# Altium PCB eps-flight.PcbDoc (part 1 of 4) (continued)
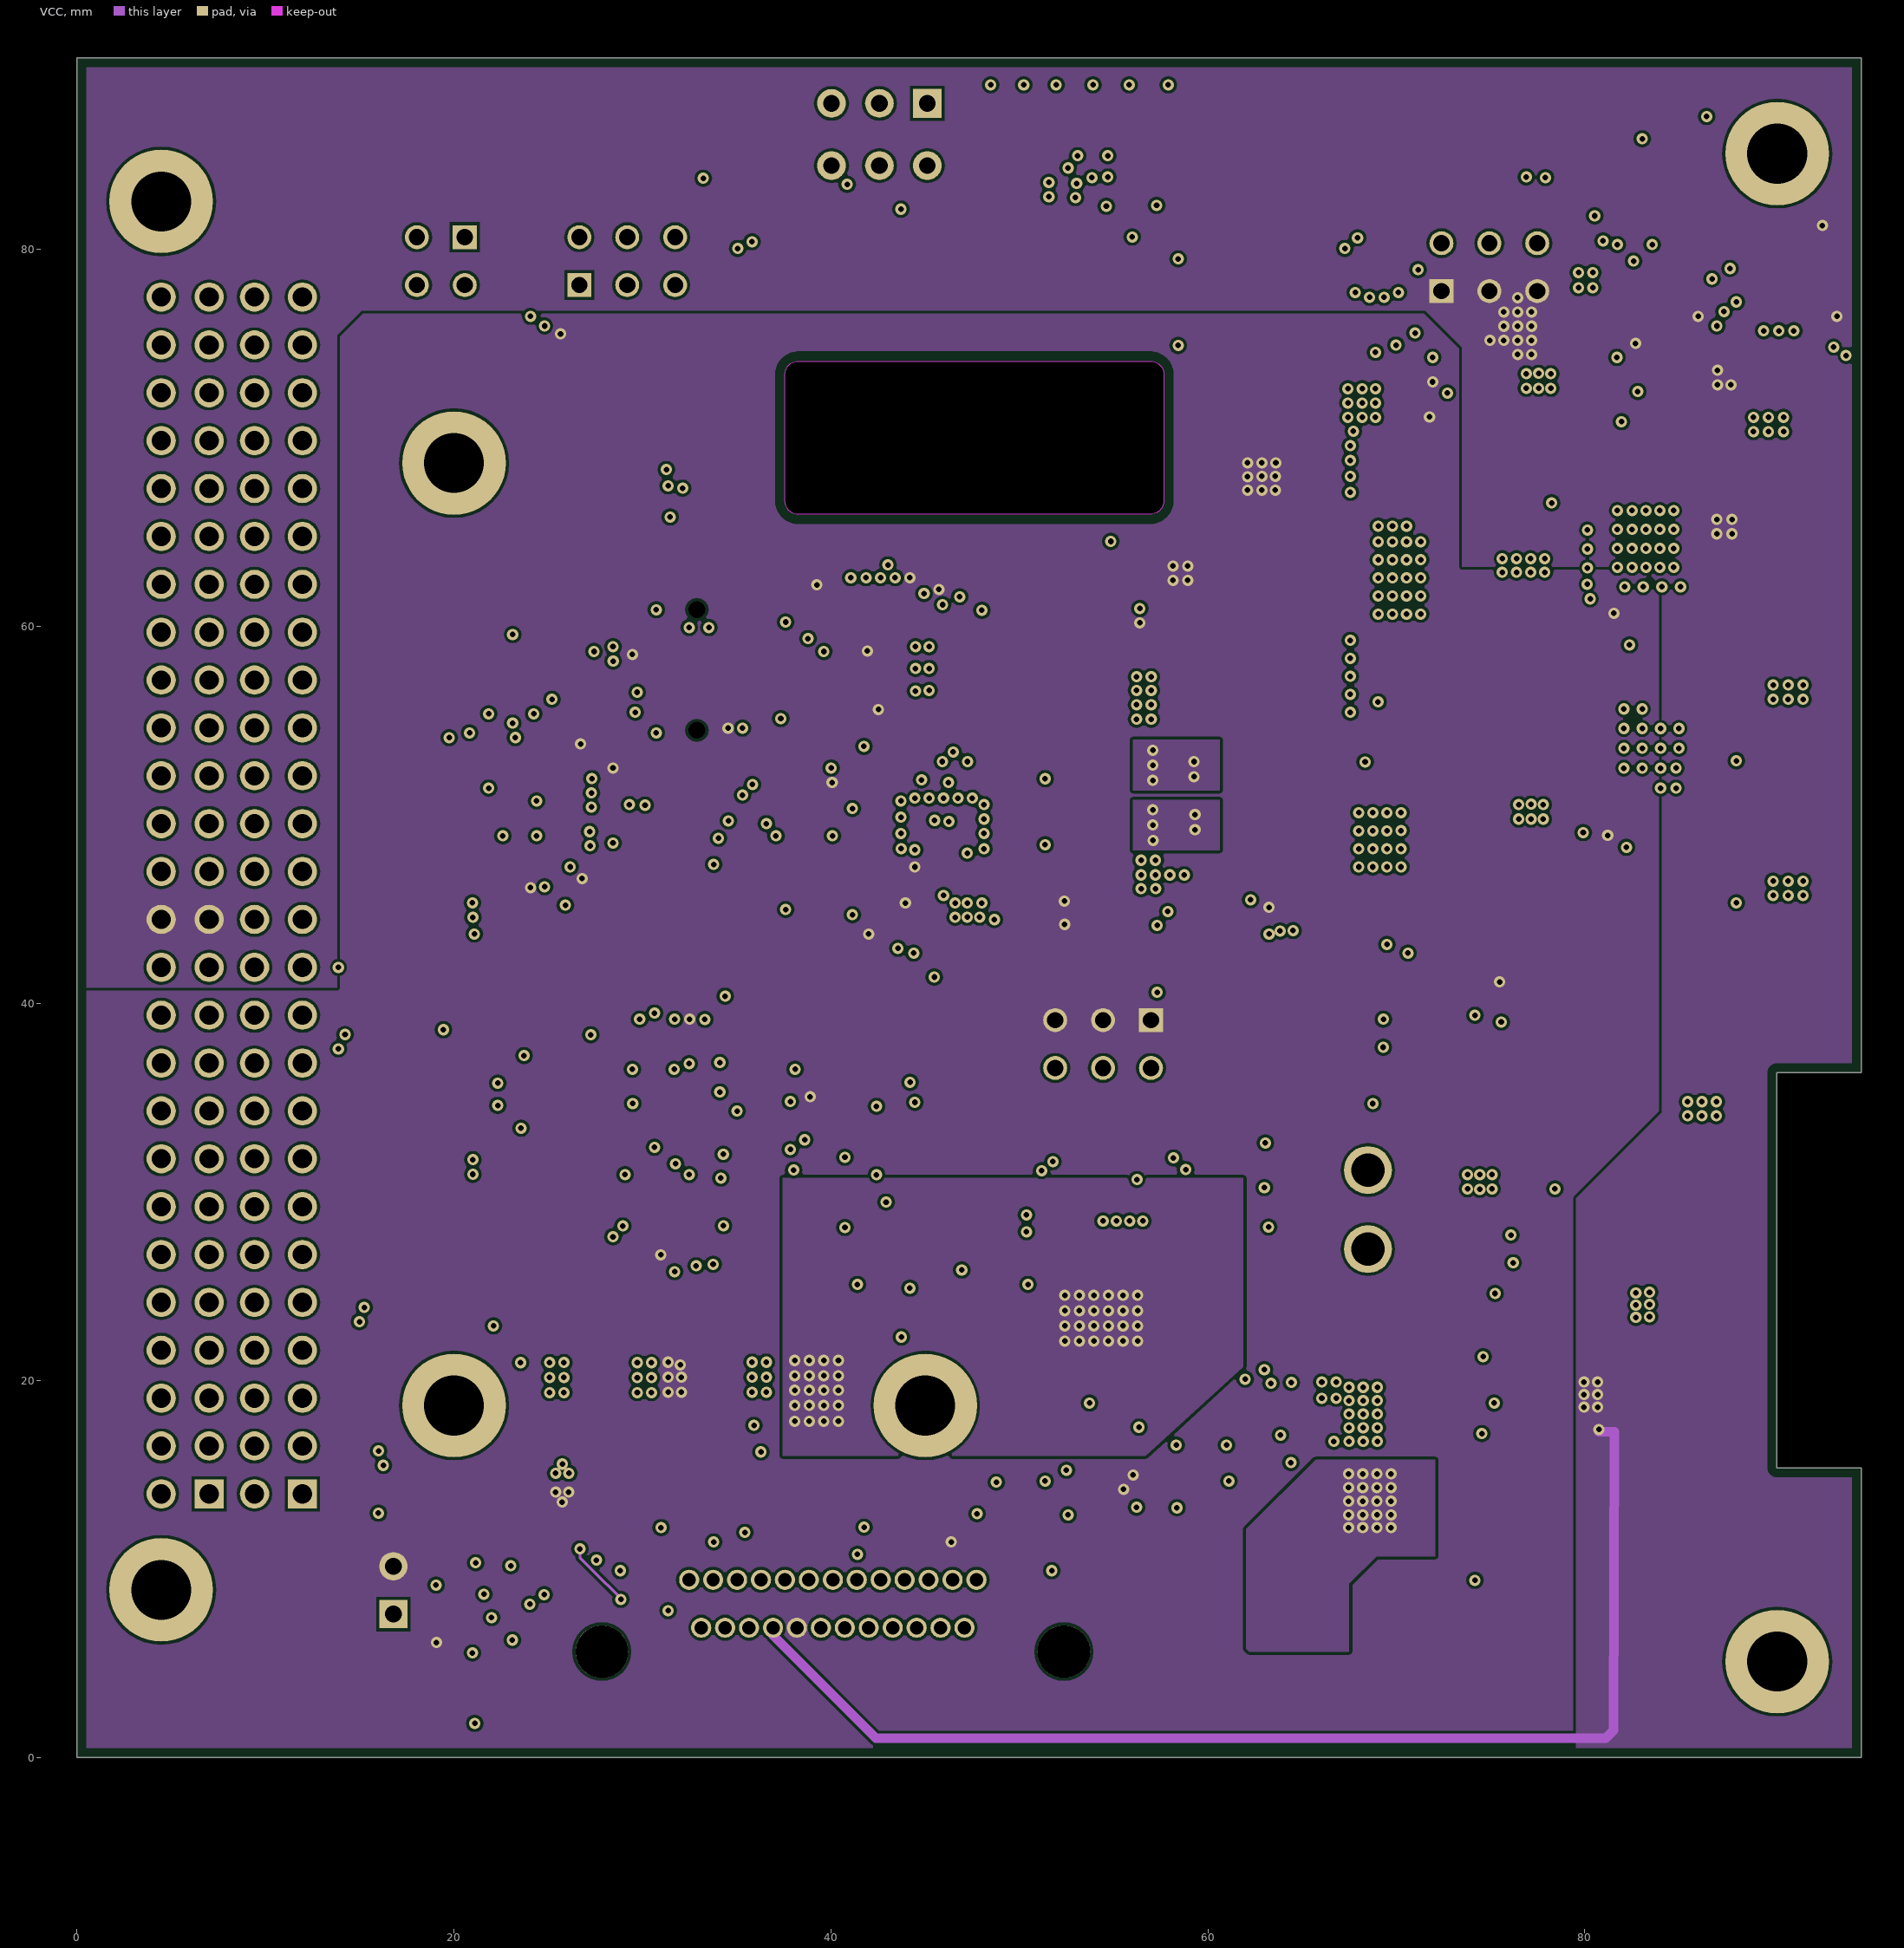
[diagram p3: VCC]
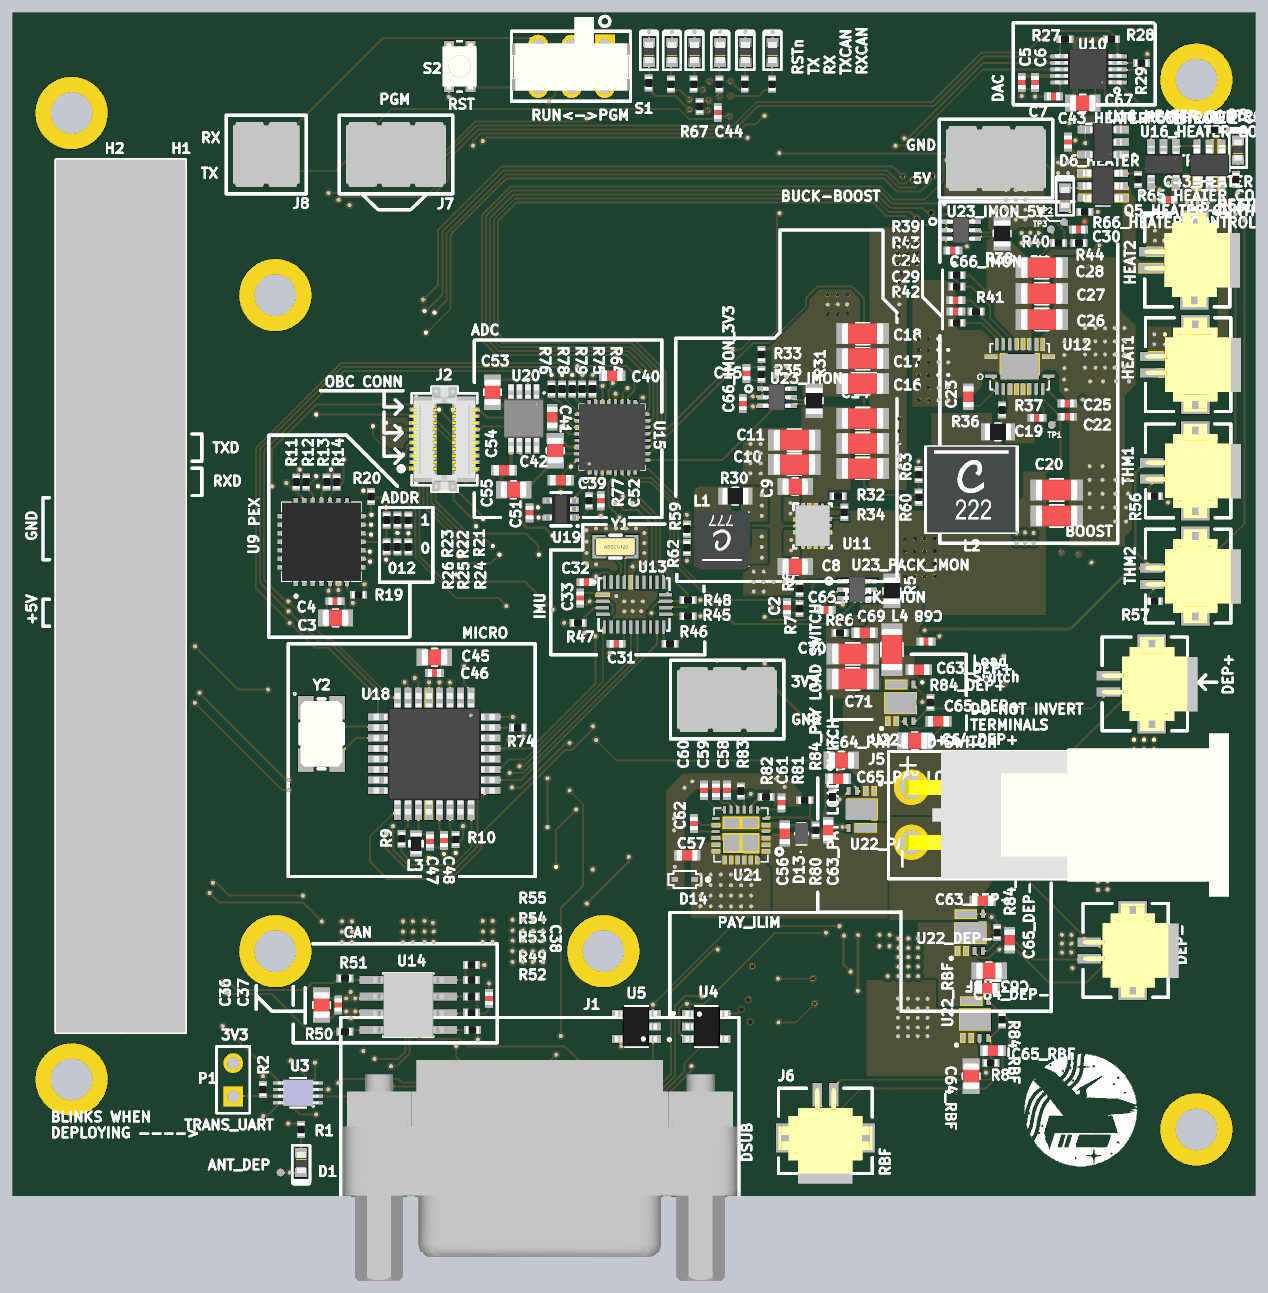
[diagram p7: 3D render of the assembled board from above, using the file's embedded part models]
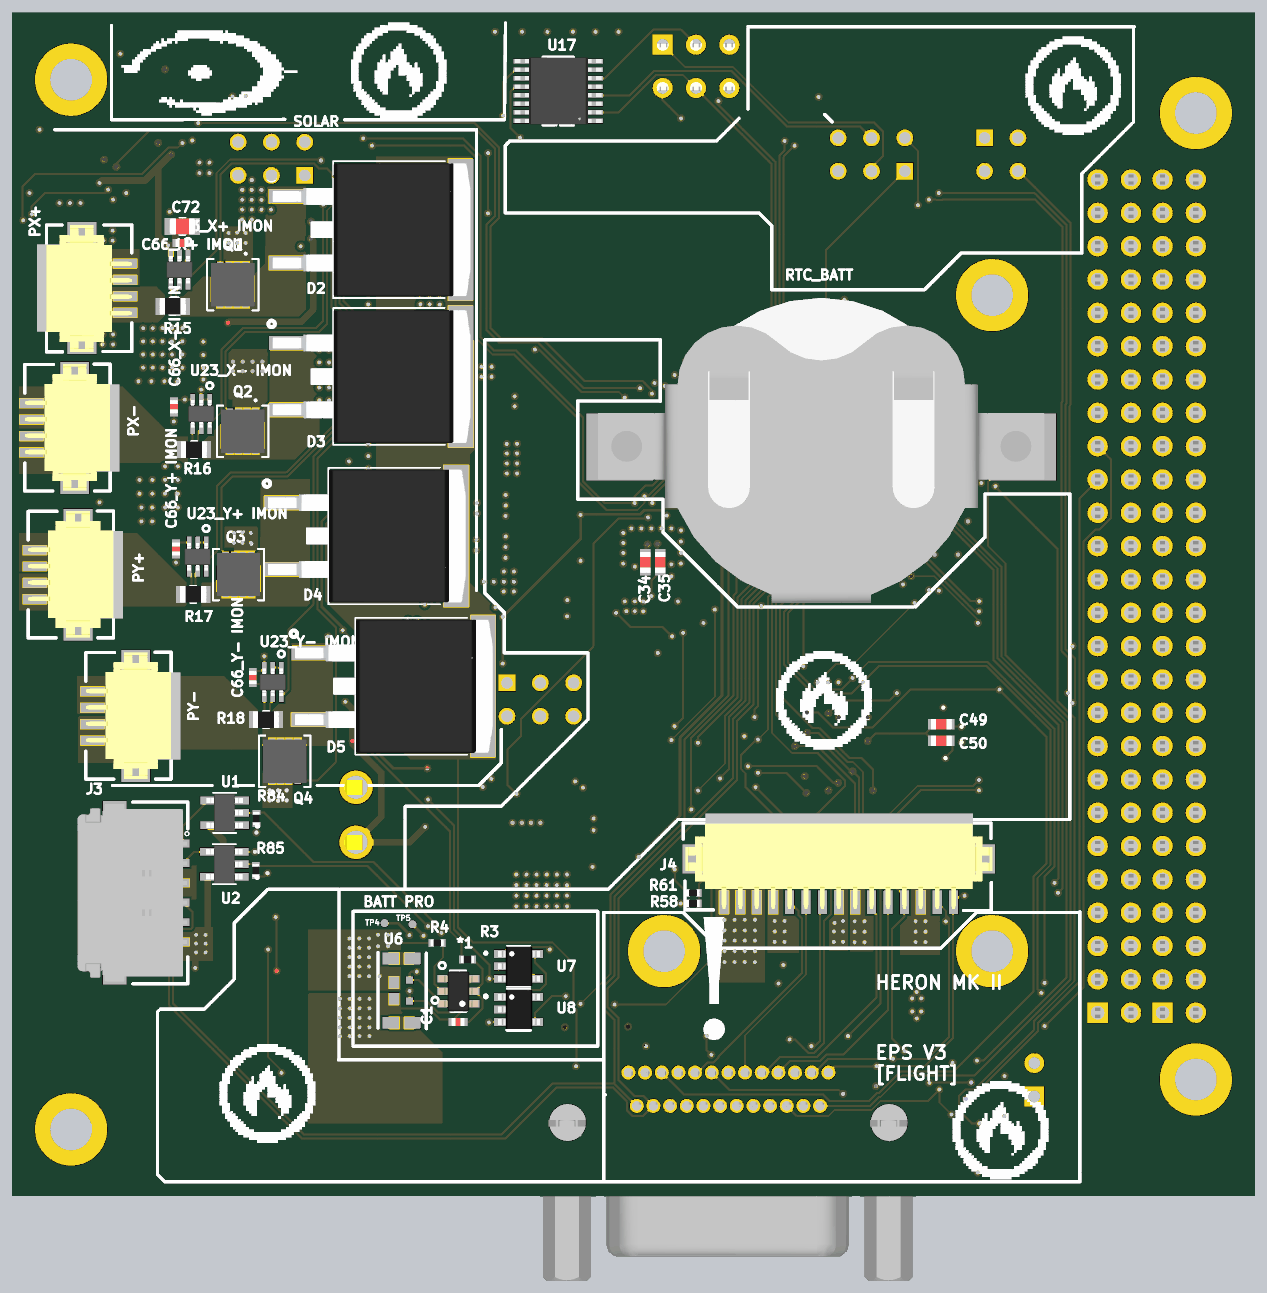
[diagram p8: 3D render of the assembled board from below, using the file's embedded part models]

## Layer stack, top to bottom
Top Solder: solder mask 0.0102, Solder Resist, Dk 3.5
Top Layer: signal copper 0.0356
Dielectric 1: core 0.254, FR-4, Dk 4.2
GND: signal copper 0.036
Dielectric 2: core 0.254, Dk 4.2
VCC: signal copper 0.036
Dielectric 3: prepreg 0.127, Dk 4.2
Bottom Layer: signal copper 0.0356
Bottom Solder: solder mask 0.0102, Solder Resist, Dk 3.5

## Board outline
94.666,36.322 90.17,36.322 90.17,15.367 94.666,15.367 94.666,0 0,0 0,90.17 94.666,90.17
cut-out: 57.658,73.372 57.658,66.68 cw(c56.93,66.68) 56.93,65.952 38.264,65.952 cw(c38.264,66.656) 37.56,66.656 37.56,73.374 cw(c38.268,73.374) 38.268,74.082 56.948,74.082 cw(c56.948,73.372)

## Design rules (kind name [scope] priority, off if disabled: settings)
AssemblyTestPointUsage [All] p1 off:
AssemblyTestpoint [All] p1 off: testpointundercomponent=TRUE minsize=1.016 maxsize=2.54 preferedsize=1.524 minholesize=0 maxholesize=1.016 preferedholesize=0.813 testpointgrid=0.025 usegrid=TRUE gridtolerance=0 allowsidetop=TRUE allowsidebottom=TRUE
BoardOutlineClearance [All] p1: gap=0.5 ignorepadtopadclearanceinfootprint=FALSE
Clearance Component_Clearance [IsComponent vs IsComponent] p1: gap=0.254 ignorepadtopadclearanceinfootprint=FALSE
Clearance [All] p2: gap=0.152 ignorepadtopadclearanceinfootprint=TRUE
FabricationTestPointUsage [All] p1 off: valid=0 allowmultiple=FALSE
FabricationTestpoint [All] p1 off: side=3 testpointundercomponent=FALSE minsize=1.016 maxsize=2.54 preferedsize=1.524 minholesize=0 maxholesize=1.016 preferedholesize=0.813 testpointgrid=0.025 allowsidetop=TRUE allowsidebottom=TRUE usegrid=TRUE gridtolerance=0
HoleSize [All] p1: absolutevalues=TRUE maxlimit=6.3 minlimit=0.3 maxpercent=80.000 minpercent=20.000
HoleToHoleClearance [All] p1: gap=0.2 allowstackedmicrovias=FALSE
MinimumAnnularRing [All] p1: minimumring=0.15
MinimumSolderMaskSliver [All] p1: minsoldermaskwidth=0.1
PlaneClearance [All] p1: clearance=0.381
PlaneConnect [All] p1: planeconnectstyle=Direct reliefexpansion=0.508 reliefentries=4 reliefconductorwidth=0.254 reliefairgap=0.254
PolygonConnect [All] p1: connectstyle=Direct reliefconductorwidth=0.254 reliefentries=4 polygonreliefangle="90 Angle" airgapwidth=0.254
RoomDefinition RBF [InComponentClass('RBF')] p1 off: confinementstyle=ConfineIn formatcopy=TRUE lockcomponents=FALSE outline 61.849,5.029 71.349,5.029 71.349,12.776 61.849,12.776
RoomDefinition "Y- IMON" [InComponentClass('Y- IMON')] p2 off: confinementstyle=ConfineIn formatcopy=TRUE lockcomponents=FALSE outline 78.906,36.073 78.906,40.657 81.414,40.657 81.414,39.223 82.242,39.223 82.242,37.265 81.414,37.265 81.414,36.073
RoomDefinition "Y+ IMON" [InComponentClass('Y+ IMON')] p3 off: confinementstyle=ConfineIn formatcopy=TRUE lockcomponents=FALSE outline 81.082,47.041 81.082,51.625 83.59,51.625 83.59,50.442 84.532,50.442 84.532,48.484 83.59,48.484 83.59,47.041
RoomDefinition "X- IMON" [InComponentClass('X- IMON')] p4 off: confinementstyle=ConfineIn formatcopy=TRUE lockcomponents=FALSE outline 81.158,57.791 81.158,62.375 83.666,62.375 83.666,61.141 84.598,61.141 84.598,59.183 83.666,59.183 83.666,57.791
RoomDefinition "X+ IMON" [InComponentClass('X+ IMON')] p5 off: confinementstyle=ConfineIn formatcopy=TRUE lockcomponents=FALSE outline 80.686,68.782 80.686,73.366 83.194,73.366 83.194,72.199 84.272,72.199 84.272,70.241 83.194,70.241 83.194,68.782
RoomDefinition TRANSCEIVER [InComponentClass('TRANSCEIVER')] p6 off: confinementstyle=ConfineIn formatcopy=TRUE lockcomponents=FALSE outline 2.761,11.951 2.761,79.509 13.669,79.509 13.669,11.951
RoomDefinition "SOLAR PANELS" [InComponentClass('SOLAR PANELS')] p7 off: confinementstyle=ConfineIn formatcopy=TRUE lockcomponents=FALSE outline 57.296,32.958 57.296,44.766 58.991,44.766 58.991,79.564 75.799,79.564 75.799,74.535 93.04,74.535 93.04,42.276 91.008,42.276 91.008,31.25 82.844,31.25 82.844,32.958
RoomDefinition PEX [InComponentClass('PEX')] p8 off: confinementstyle=ConfineIn formatcopy=TRUE lockcomponents=FALSE outline 18.223,61.186 18.223,64.394 20.404,64.394 20.404,67.755 28.892,67.755 28.892,59.482 29.468,59.482 29.468,58.374 27.814,58.374 27.814,57.536 27.806,57.536 27.806,56.683 25.998,56.683 23.712,56.683 23.712,59.907 20.172,59.907 20.172,61.186
RoomDefinition "PAY LOAD SWITCH" [InComponentClass('PAY LOAD SWITCH')] p9 off: confinementstyle=ConfineIn formatcopy=TRUE lockcomponents=FALSE outline 63.456,26.432 63.456,28.94 63.572,28.94 63.572,33.999 66.78,33.999 66.78,31.672 68.729,31.672 68.729,27.039 64.864,27.039 64.864,26.432
RoomDefinition PACK_IMON [InComponentClass('PACK_IMON')] p10 off: confinementstyle=ConfineIn formatcopy=TRUE lockcomponents=FALSE outline 60.136,40.148 60.136,42.656 64.72,42.656 64.72,40.148 63.364,40.148 63.364,39.168 61.406,39.168 61.406,40.148
RoomDefinition MICROCONTROLLER [InComponentClass('MICROCONTROLLER')] p11 off: confinementstyle=ConfineIn formatcopy=TRUE lockcomponents=FALSE outline 16.482,83.827 16.482,88.385 20.853,88.385 20.853,89.506 27.965,89.506 27.965,89.538 37.617,89.538 37.617,90.297 47.447,90.297 47.447,83.058 37.363,83.058 37.363,82.782 27.711,82.782 27.711,82.75 20.853,82.75 20.853,83.827
RoomDefinition micro-circuit- [InComponentClass('micro-circuit-')] p12 off: confinementstyle=ConfineIn formatcopy=TRUE lockcomponents=FALSE outline 47.445,85.487 47.445,89.169 58.924,89.169 58.924,85.487 58.414,85.487 58.414,83.843 56.779,83.843 56.779,81.269 55.574,81.269 55.574,80.431 54.466,80.431 54.466,80.566 52.706,80.566 52.706,81.269 49.37,81.269 49.37,83.943 47.897,83.943 47.897,85.487
RoomDefinition main [InComponentClass('main')] p13 off: confinementstyle=ConfineIn formatcopy=TRUE lockcomponents=FALSE outline 13.681,48.298 13.681,72.358 53.852,72.358 53.852,75.311 70.129,75.311 70.129,82.474 79.527,82.474 79.527,31.271 81.971,31.271 81.971,30.441 90.093,30.441 90.093,15.836 55.721,15.836 55.721,-7.471 24.606,-7.471 24.606,0.547 20.936,0.547 20.936,5.974 15.162,5.974 15.162,48.298
RoomDefinition "LOAD SWITCHES" [InComponentClass('LOAD SWITCHES')] p14 off: confinementstyle=ConfineIn formatcopy=TRUE lockcomponents=FALSE outline 82.294,34.963 82.294,43.123 90.546,43.123 90.546,23.311 91.054,23.311 91.054,15.151 82.802,15.151 82.802,34.963
RoomDefinition IMU [InComponentClass('IMU')] p15 off: confinementstyle=ConfineIn formatcopy=TRUE lockcomponents=FALSE outline 41.531,44.487 41.531,46.445 42.524,46.445 42.524,46.456 43.884,46.456 43.884,47.595 44.326,47.595 44.326,50.775 48.435,50.775 48.435,47.595 50.545,47.595 50.545,45.982 52.364,45.982 52.364,43.642 50.989,43.642 50.989,41.546 45.001,41.546 45.001,42.585 43.884,42.585 43.884,43.134 42.174,43.134 42.174,44.487
RoomDefinition IMON_5V [InComponentClass('IMON_5V')] p16 off: confinementstyle=ConfineIn formatcopy=TRUE lockcomponents=FALSE outline 69.505,72.375 69.505,74.883 74.089,74.883 74.089,72.375 72.609,72.375 72.609,71.516 70.651,71.516 70.651,72.375
RoomDefinition IMON_3V3 [InComponentClass('IMON_3V3')] p17 off: confinementstyle=ConfineIn formatcopy=TRUE lockcomponents=FALSE outline 55.472,59.634 55.472,62.142 60.055,62.142 60.055,59.634 58.609,59.634 58.609,58.75 56.651,58.75 56.651,59.634
RoomDefinition "HEATERS AND SENSORS" [InComponentClass('HEATERS AND SENSORS')] p18 off: confinementstyle=ConfineIn formatcopy=TRUE lockcomponents=FALSE outline 50.811,48.516 50.811,51.741 68.473,51.741 68.473,55.892 86.102,55.892 86.102,59.356 86.102,75.477 94.355,75.477 94.355,67.453 94.355,59.293 94.355,43.172 86.102,43.172 86.102,48.516
RoomDefinition "HEATER CONTROL 2" [InComponentClass('HEATER CONTROL 2')] p19 off: confinementstyle=ConfineIn formatcopy=TRUE lockcomponents=FALSE outline 79.154,74.416 79.154,78.098 79.862,78.098 79.862,81.316 80.839,81.316 80.839,82.029 85.866,82.029 85.866,78.4 86.304,78.4 86.304,76.592 85.31,76.592 85.31,75.165 82.598,75.165 82.598,74.467 81.214,74.467 81.214,74.416
RoomDefinition "HEATER CONTROL 1" [InComponentClass('HEATER CONTROL 1')] p20 off: confinementstyle=ConfineIn formatcopy=TRUE lockcomponents=FALSE outline 86.257,76.367 86.257,81.393 90.942,81.393 90.942,81.834 92.75,81.834 92.75,81.726 94.653,81.726 94.653,78.044 94.178,78.044 94.178,76.618 93.293,76.618 93.293,76.367 89.277,76.367 89.277,75.392 87.319,75.392 87.319,76.367
RoomDefinition DIGITAL [InComponentClass('DIGITAL')] p21 off: confinementstyle=ConfineIn formatcopy=TRUE lockcomponents=FALSE outline 24.779,26.332 24.779,28.14 28.706,28.14 28.706,65.564 28.723,65.564 28.723,66.37 30.531,66.37 30.531,64.154 30.554,64.154 30.554,37.119 35.056,37.119 35.056,36.011 30.005,36.011 30.005,26.272 28.897,26.272 28.897,26.332
RoomDefinition DEP- [InComponentClass('DEP-')] p22 off: confinementstyle=ConfineIn formatcopy=TRUE lockcomponents=FALSE outline 72.026,17.778 72.026,22.411 73.732,22.411 73.732,23.31 76.24,23.31 76.24,21.086 76.652,21.086 76.652,20.862 77.754,20.862 77.754,18.354 77.09,18.354 77.09,16.293 73.882,16.293 73.882,17.778
RoomDefinition DEP+ [InComponentClass('DEP+')] p23 off: confinementstyle=ConfineIn formatcopy=TRUE lockcomponents=FALSE outline 65.457,35.188 65.457,39.821 67.786,39.821 67.786,40.836 70.294,40.836 70.294,38.516 70.484,38.516 70.484,36.896 71.791,36.896 71.791,35.488 70.336,35.488 70.336,33.726 67.128,33.726 67.128,35.188
RoomDefinition DAC [InComponentClass('DAC')] p24 off: confinementstyle=ConfineIn formatcopy=TRUE lockcomponents=FALSE outline 76.333,83.897 76.333,85.855 78.77,85.855 78.77,87.695 79.27,87.695 79.27,88.724 84.634,88.724 84.634,87.695 85.229,87.695 85.229,86.914 86.908,86.914 86.908,85.806 85.229,85.806 85.229,83.714 80.278,83.714 80.278,83.266 78.32,83.266 78.32,83.897
RoomDefinition "CURRENT LIMITER" [InComponentClass('CURRENT LIMITER')] p25 off: confinementstyle=ConfineIn formatcopy=TRUE lockcomponents=FALSE outline 52.166,25.066 52.166,26.474 53.374,26.474 53.374,29.173 54.135,29.173 54.135,31.713 96.342,31.713 96.342,47.583 114.749,47.583 114.749,9.893 96.342,9.893 96.342,24.825 55.014,24.825 55.014,25.066
RoomDefinition "CAN TRANSCEIVER" [InComponentClass('CAN TRANSCEIVER')] p26 off: confinementstyle=ConfineIn formatcopy=TRUE lockcomponents=FALSE outline 15.94,17.329 15.94,20.537 17.793,20.537 17.793,21.519 19.519,21.519 19.519,21.689 27.445,21.689 27.445,22.535 29.253,22.535 29.253,20.412 30.234,20.412 30.234,6.334 109.718,6.334 109.718,3.826 98.842,3.826 98.842,1.81 96.534,1.81 19.519,1.81 19.519,16.177 19.519,16.347 17.793,16.347 17.793,17.329
RoomDefinition BUCK-BOOST [InComponentClass('BUCK-BOOST')] p27 off: confinementstyle=ConfineIn formatcopy=TRUE lockcomponents=FALSE outline 51.632,47.669 51.632,52.477 53.505,52.477 53.505,54.324 55.48,54.324 55.48,64.618 56.437,64.618 56.437,66.074 62.508,66.074 62.508,66.888 67.016,66.888 67.016,54.315 63.927,54.315 63.927,51.219 62.749,51.219 62.749,49.035 61.229,49.035 61.229,46.994 58.021,46.994 58.021,47.669
RoomDefinition BOOST [InComponentClass('BOOST')] p28 off: confinementstyle=ConfineIn formatcopy=TRUE lockcomponents=FALSE outline 15.94,17.329 15.94,20.537 24.607,20.537 24.607,82.808 27.715,82.808 27.715,74.929 76.37,74.929 76.37,74.214 82.193,74.214 82.193,6.334 109.718,6.334 109.718,6.242 116.672,6.242 116.672,4.934 109.718,4.934 109.718,3.826 98.842,3.826 98.842,1.81 96.534,1.81 15.94,1.81
RoomDefinition BATTERY [InComponentClass('BATTERY')] p29 off: confinementstyle=ConfineIn formatcopy=TRUE lockcomponents=FALSE outline 53.706,12.195 53.706,19.547 57.584,19.547 57.584,44.708 59.542,44.708 59.542,43.801 61.234,43.801 61.234,42.702 67.933,42.702 67.933,35.528 95.946,35.528 95.946,22.574 70.093,22.574 70.093,-3.981 57.035,-3.981 57.035,12.195
RoomDefinition ATMEGA64M1 [InComponentClass('ATMEGA64M1')] p30 off: confinementstyle=ConfineIn formatcopy=TRUE lockcomponents=FALSE outline 113.944,4.826 117.5,4.826 117.5,8.89 113.944,8.89
RoomDefinition ADS7953 [InComponentClass('ADS7953')] p31 off: confinementstyle=ConfineIn formatcopy=TRUE lockcomponents=FALSE outline 41.381,64.9 41.381,67.408 43.656,67.408 43.656,67.888 50.769,67.888 50.769,61.3 51.441,61.3 51.441,58.792 50.033,58.792 50.033,59.186 46.452,59.186 46.452,59.24 44.036,59.24 44.036,61.12 43.656,61.12 43.656,63.7 41.981,63.7 41.981,64.9
RoomDefinition ADC [InComponentClass('ADC')] p32 off: confinementstyle=ConfineIn formatcopy=TRUE lockcomponents=FALSE outline 34.202,60.401 34.202,66.31 35.882,66.31 35.882,69.569 39.09,69.569 39.09,65.241 39.894,65.241 39.894,64.784 40.744,64.784 40.744,63.914 43.789,63.914 43.789,60.208 41.274,60.208 41.274,59.77 40.551,59.77 40.551,58.806 37.886,58.806 37.886,58.281 34.678,58.281 34.678,60.401
RoutingVias [All] p1: holewidth=0.3 width=0.6 viastyle="Through Hole" minholewidth=0.2 minwidth=0.6 maxholewidth=6.3 maxwidth=10 useviatemplates=TRUE viatemplateguid#1={50F8C75A-6F05-4761-BF53-D27C56D2F802} viatemplatename#1=v60h30m0mx0(Tol8-8)
SilkToSilkClearance [All] p1: silktosilkclearance=0
SilkToSolderMaskClearance [IsPad] p1: minsilkscreentomaskgap=0.2 clearancetoexposedcopper=TRUE
SolderMaskExpansion [All] p1: expansion=0.051
UnConnectedPin [All] p1:
UnRoutedNet [All] p1: checkbadconnections=TRUE
Width [All] p1: maxlimit=25.4 minlimit=0.15 preferedwidth=0.2 minimp=50.000000 maximp=50.000000 favimp=50.000000
18 further rules are at their usual default settings.

## Classes and differential pairs
component class RBF: C63_RBF C64_RBF C65_RBF R84_RBF U22_RBF
component class TRANSCEIVER: H1 H2
channel class heater-control-comparator: "HEATER CONTROL 1" "HEATER CONTROL 2"
channel class dep-switch-TPS22959DNYT: DEP+ DEP- "PAY LOAD SWITCH"
channel class curr-mon-INA214-Q1: IMON_3V3 IMON_5V PACK_IMON "X+ IMON" "X- IMON" "Y+ IMON" "Y- IMON"
component class "Y- IMON": "C66_Y- IMON" "C68_Y- IMON" "U23_Y- IMON"
component class "Y+ IMON": "C66_Y+ IMON" "C68_Y+ IMON" "U23_Y+ IMON"
component class "X- IMON": "C66_X- IMON" "C68_X- IMON" "U23_X- IMON"
component class "X+ IMON": "C66_X+ IMON" "C68_X+ IMON" "U23_X+ IMON"
component class "SOLAR PANELS": C72 D2 D3 D4 D5 PX+ PX- PY+ PY- Q1 Q2 Q3 Q4 R15 R16 R17 R18
component class PEX: C3 C4 R19 R20 R21 R22 R23 R24 R25 R26 U9
component class "PAY LOAD SWITCH": "C63_PAY LOAD SWITCH" "C64_PAY LOAD SWITCH" "C65_PAY LOAD SWITCH" "R84_PAY LOAD SWITCH" "U22_PAY LOAD SWITCH"
component class IMON_3V3: C66_IMON_3V3 C68_IMON_3V3 U23_IMON_3V3
component class IMON_5V: C66_IMON_5V C68_IMON_5V U23_IMON_5V
component class PACK_IMON: C66_PACK_IMON C68_PACK_IMON U23_PACK_IMON
component class MICROCONTROLLER: J7 J8 J? S1 S2 S?
component class micro-circuit-: C44 D7 D8 D9 D10 D11 D12 D? R66 R67 R68 R69 R70 R71 R72 R73 U17 U?
component class main: 3V3 5V D1 J1 J2 J3 J4 P1 R1 R2 R84 R85 RTC_BATT U1 U2 U3 U4 U5
component class "LOAD SWITCHES": DEP+ DEP-
component class IMU: C31 C32 C33 C34 C35 R45 R46 R47 R48 U13 Y1
component class "HEATERS AND SENSORS": HEAT1 HEAT2 R56 R57 R58 R59 R60 R61 R62 R63 R? THM1 THM2
component class "HEATER CONTROL 2": "C43_HEATER CONTROL 2" "C45_HEATER CONTROL 2" "D6_HEATER CONTROL 2" "Q5_HEATER CONTROL 2" "R64_HEATER CONTROL 2" "R65_HEATER CONTROL 2" "R66_HEATER CONTROL 2" "U16_HEATER CONTROL 2"
component class "HEATER CONTROL 1": "C43_HEATER CONTROL 1" "C45_HEATER CONTROL 1" "D6_HEATER CONTROL 1" "Q5_HEATER CONTROL 1" "R64_HEATER CONTROL 1" "R65_HEATER CONTROL 1" "R66_HEATER CONTROL 1" "U16_HEATER CONTROL 1"
component class DIGITAL: C67 R9 R10 R11 R12 R13 R14
component class DEP-: C63_DEP- C64_DEP- C65_DEP- R84_DEP- U22_DEP-
component class DEP+: C63_DEP+ C64_DEP+ C65_DEP+ R84_DEP+ U22_DEP+
component class DAC: C5 C6 C7 R27 R28 R29 U10
component class "CURRENT LIMITER": C56 C57 C58 C59 C60 C61 C62 D13 D14 R80 R81 R82 R83 U21
component class "CAN TRANSCEIVER": C36 C37 C38 R49 R50 R51 R52 R53 R54 R55 U14 U?
component class BUCK-BOOST: C8 C9 C10 C11 C12 C13 C14 C15 C16 C17 C18 L1 R30 R31 R32 R33 R34 R35 U11
component class BOOST: C19 C20 C21 C22 C23 C24 C25 C26 C27 C28 C29 C30 L2 R36 R37 R38 R39 R40 R41 R42 R43 R44 U12
component class BATTERY: *1 C1 C2 C68 C69 C70 C71 J5 J6 L4 R3 R4 R5 R6 R7 R8 R86 U6 U7 U8
component class ATMEGA64M1: C45 C46 C47 C48 C49 C50 C? L3 R74 U18 U? Y2 Y?
component class ADS7953: C39 C40 C41 C42 C43 R64 U15
component class ADC: C51 C52 C53 C54 C55 C66 R75 R76 R77 R78 R79 U19 U20
